# Altium PCB GE21_M1_pku_f100.PcbDoc (part 5 of 19) (continued)
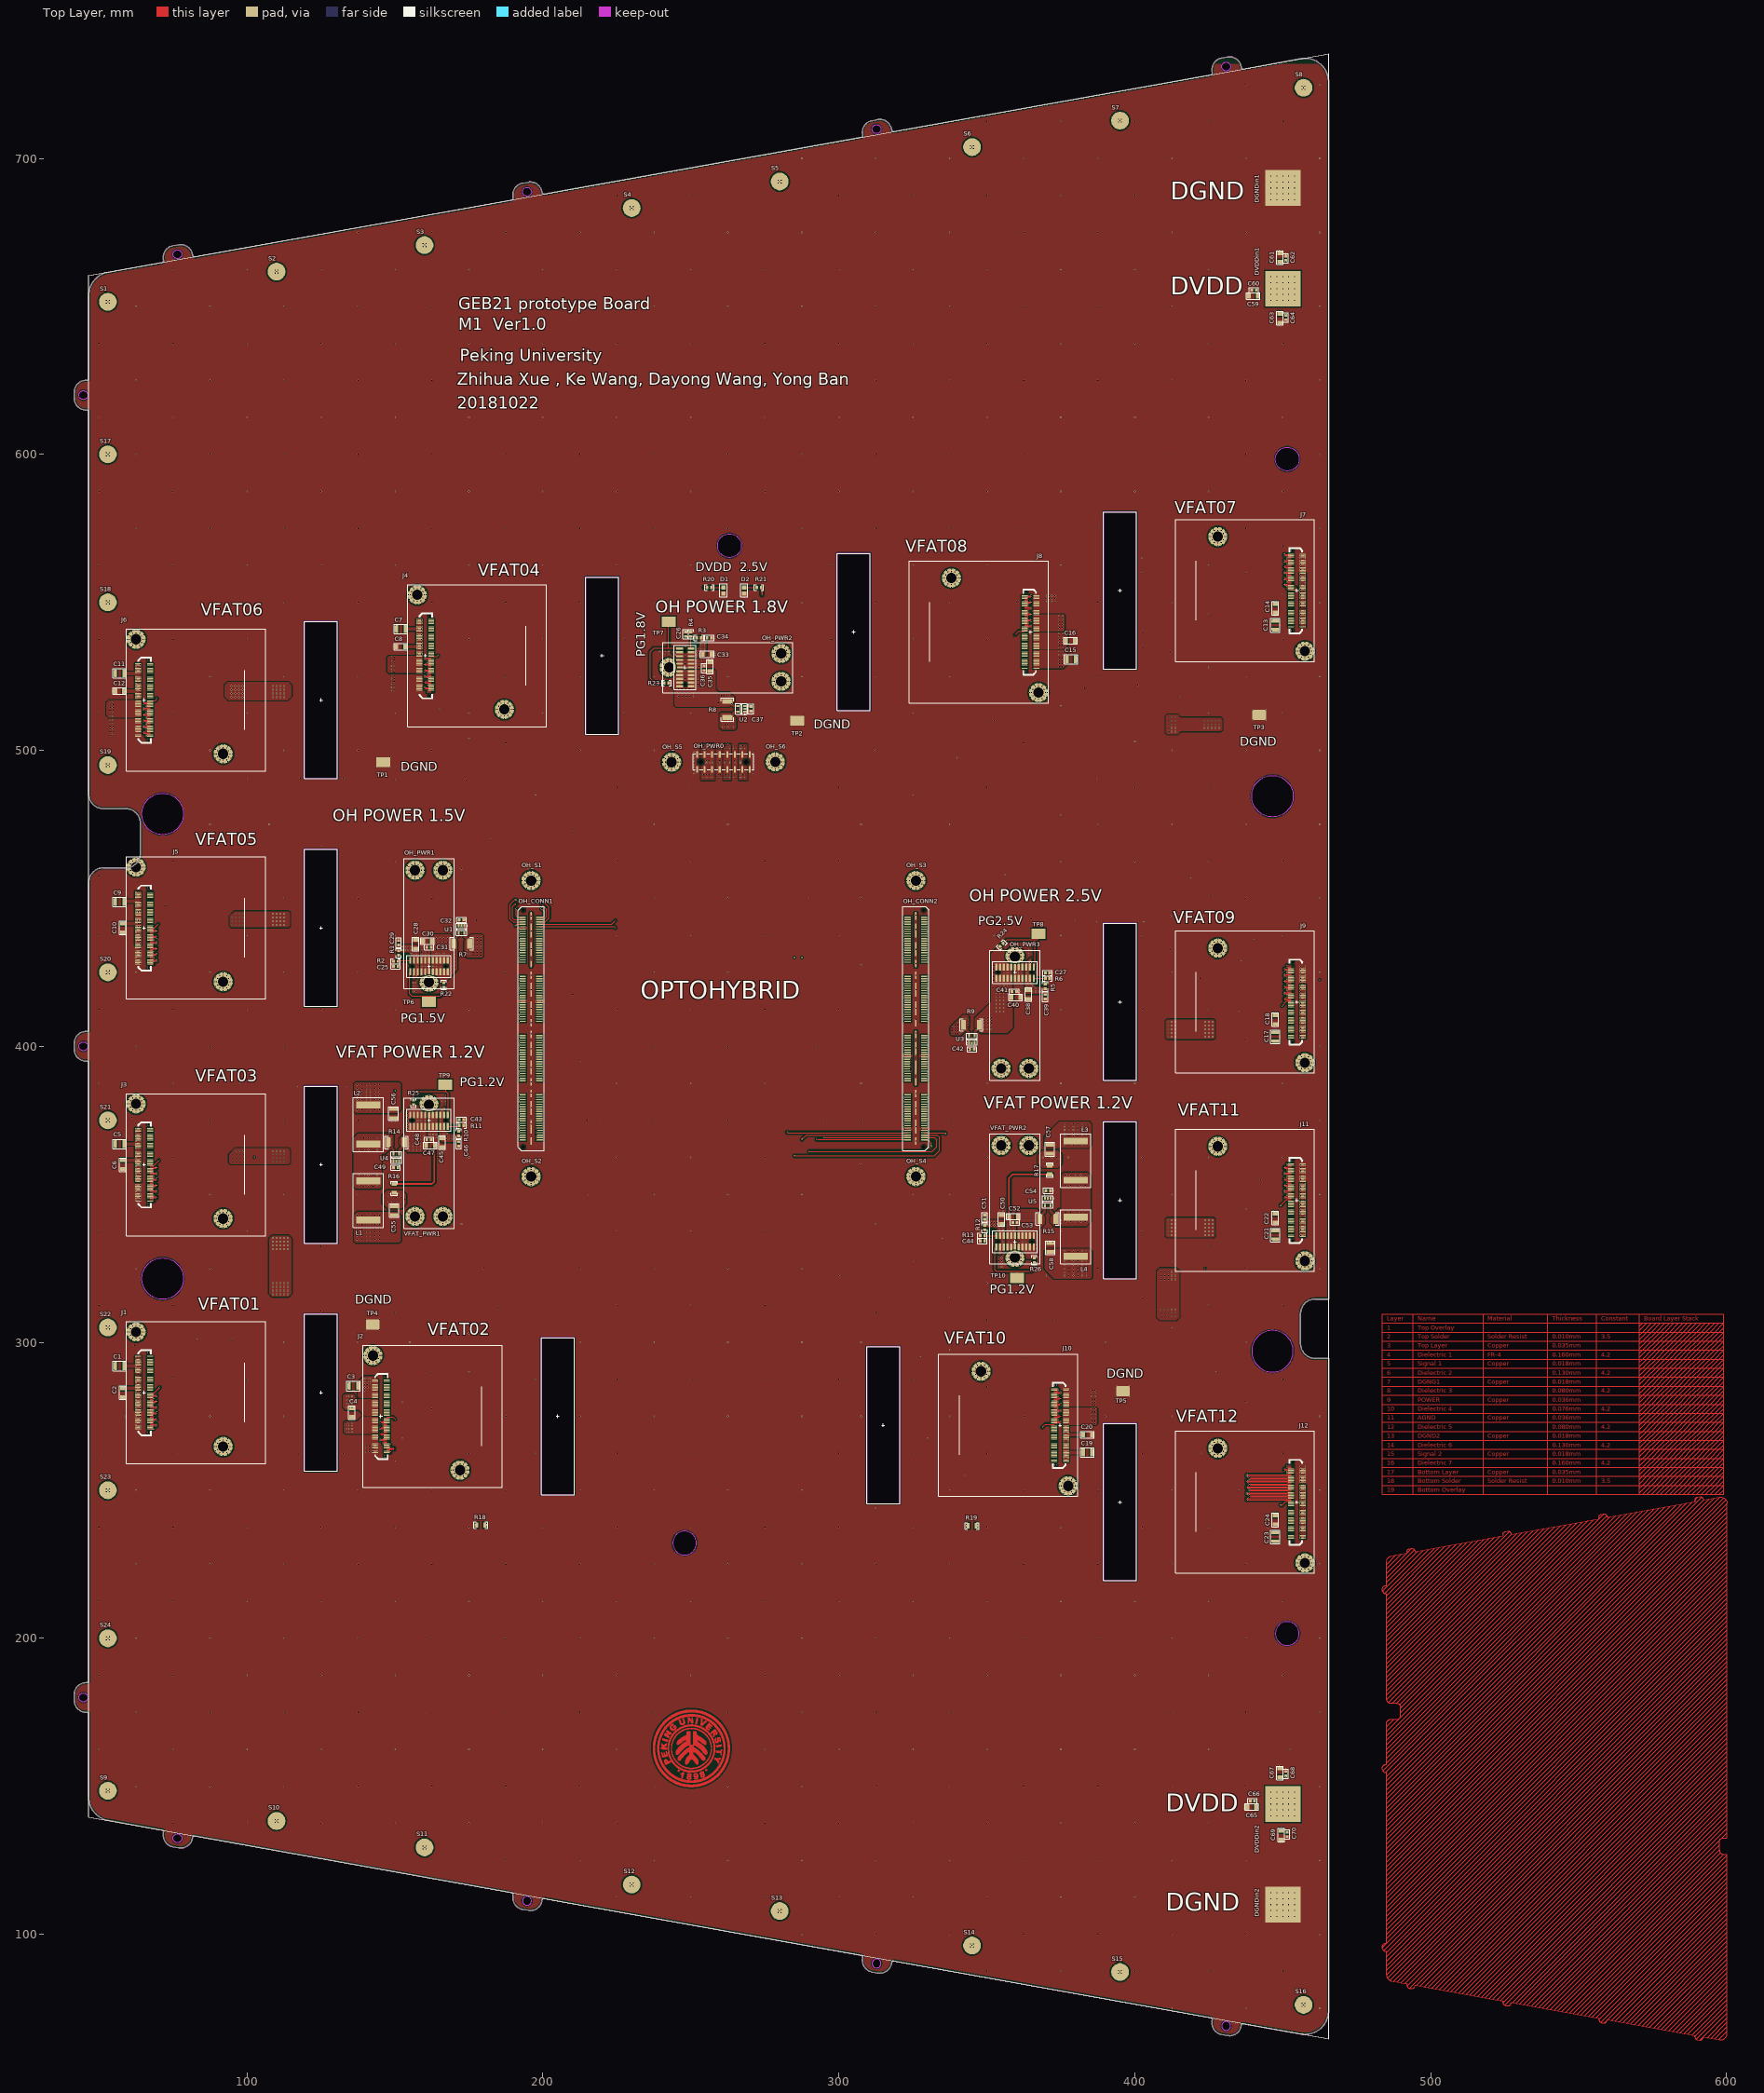
[diagram p0: Top Layer view]
## Nets (pads, with @x,y where several pads share a name; then routed paths per layer and width w, separated by ;. In a path a pad name is that pad's centre, name@x,y a point inside that pad or via, vN(x,y) a via of type N, cw(c..) or ccw(c..) an arc to the next point about the centre after c; other vN are vias at no path point) (continued)
  other v4: 69.43,431.3 69.57,431.3
J5Reset: J5.52 OH_CONN1.2 | length 163.6
  Top Layer w0.2: J5.52@67.25,439.75 68.5,439.75 v1(70,441.25) ; v1(191,446.5) 191,444 191.4,443.6 OH_CONN1.2@193.135,443.6
  Signal 1 w0.2: v1(70,441.25) 71.75,443 77.75,443 79.75,445 79.75,467.5 81.75,469.5 168,469.5 v1(191,446.5)
J5RXD_N: J5.96 OH_CONN1.56 | length 234.6
  Top Layer w0.115: J5.96@67.25,428.75 68.3,428.75 68.375,428.825 69.198,428.825 cw(c69.198,428.398) v5(69.5,428.7)
  Signal 1 w0.115: v5(69.5,428.7) cw(c69.802,428.398) 69.802,428.825 72.623,428.825 cw(c72.623,426.285) 74.419,428.081 93.504,408.996 ccw(c95.547,411.04) 95.547,408.15 117.798,408.15 cw(c117.798,405.61) 119.594,407.406 120.004,406.996 ccw(c122.047,409.04) 122.047,406.15 125.486,406.15 ccw(c125.486,406.708) 126.044,406.708 126.044,407.201 cw(c126.252,407.201) 126.252,407.409 126.444,407.409 cw(c126.444,407.201) 126.652,407.201 126.652,405.449 ccw(c127.21,405.449) 127.21,404.891 127.402,404.891 ccw(c127.402,405.449) 127.96,405.449 127.96,407.201 cw(c128.168,407.201) 128.168,407.409 128.36,407.409 cw(c128.36,407.201) 128.568,407.201 128.568,405.449 ccw(c129.126,405.449) 129.126,404.891 129.318,404.891 ccw(c129.318,405.449) 129.876,405.449 129.876,407.201 cw(c130.084,407.201) 130.084,407.409 130.276,407.409 cw(c130.276,407.201) 130.484,407.201 130.484,405.449 ccw(c131.042,405.449) 131.042,404.891 131.234,404.891 ccw(c131.234,405.449) 131.792,405.449 131.792,407.201 cw(c132,407.201) 132,407.409 132.192,407.409 cw(c132.192,407.201) 132.4,407.201 132.4,405.449 ccw(c132.958,405.449) 132.958,404.891 133.15,404.891 ccw(c133.15,405.449) 133.708,405.449 133.708,407.201 cw(c133.916,407.201) 133.916,407.409 134.108,407.409 cw(c134.108,407.201) 134.316,407.201 134.316,405.449 ccw(c134.874,405.449) 134.874,404.891 135.066,404.891 ccw(c135.066,405.449) 135.624,405.449 135.624,407.201 cw(c135.832,407.201) 135.832,407.409 136.024,407.409 cw(c136.024,407.201) 136.232,407.201 136.232,405.449 ccw(c136.79,405.449) 136.79,404.891 136.982,404.891 ccw(c136.982,405.449) 137.54,405.449 137.54,407.201 cw(c137.748,407.201) 137.748,407.409 137.94,407.409 cw(c137.94,407.201) 138.148,407.201 138.148,405.449 ccw(c138.706,405.449) 138.706,404.891 138.898,404.891 ccw(c138.898,405.449) 139.456,405.449 139.456,407.201 cw(c139.664,407.201) 139.664,407.409 139.856,407.409 cw(c139.856,407.201) 140.064,407.201 140.064,405.449 ccw(c140.622,405.449) 140.622,404.891 140.814,404.891 ccw(c140.814,405.449) 141.372,405.449 141.372,407.201 cw(c141.58,407.201) 141.58,407.409 141.772,407.409 cw(c141.772,407.201) 141.98,407.201 141.98,405.449 ccw(c142.538,405.449) 142.538,404.891 142.73,404.891 ccw(c142.73,405.449) 143.288,405.449 143.288,407.201 cw(c143.496,407.201) 143.496,407.409 143.688,407.409 cw(c143.688,407.201) 143.896,407.201 143.896,405.449 ccw(c144.454,405.449) 144.454,404.891 144.646,404.891 ccw(c144.646,405.449) 145.204,405.449 145.204,407.201 cw(c145.412,407.201) 145.412,407.409 145.604,407.409 cw(c145.604,407.201) 145.812,407.201 145.812,405.449 ccw(c146.37,405.449) 146.37,404.891 146.562,404.891 ccw(c146.562,405.449) 147.12,405.449 147.12,407.201 cw(c147.328,407.201) 147.328,407.409 147.52,407.409 cw(c147.52,407.201) 147.728,407.201 147.728,405.449 ccw(c148.286,405.449) 148.286,404.891 148.478,404.891 ccw(c148.478,405.449) 149.036,405.449 149.036,407.201 cw(c149.244,407.201) 149.244,407.409 149.436,407.409 cw(c149.436,407.201) 149.644,407.201 149.644,405.449 ccw(c150.202,405.449) 150.202,404.891 150.394,404.891 ccw(c150.394,405.449) 150.952,405.449 150.952,407.201 cw(c151.16,407.201) 151.16,407.409 151.352,407.409 cw(c151.352,407.201) 151.56,407.201 151.56,405.449 ccw(c152.118,405.449) 152.118,404.891 152.31,404.891 ccw(c152.31,405.449) 152.868,405.449 152.868,407.201 cw(c153.076,407.201) 153.076,407.409 153.268,407.409 cw(c153.268,407.201) 153.476,407.201 153.476,405.449 ccw(c154.034,405.449) 154.034,404.891 154.226,404.891 ccw(c154.226,405.449) 154.784,405.449 154.784,407.201 cw(c154.992,407.201) 154.992,407.409 155.184,407.409 cw(c155.184,407.201) 155.392,407.201 155.392,405.449 ccw(c155.95,405.449) 155.95,404.891 156.142,404.891 ccw(c156.142,405.449) 156.7,405.449 156.7,407.201 cw(c156.908,407.201) 156.908,407.409 157.1,407.409 cw(c157.1,407.201) 157.308,407.201 157.308,405.449 ccw(c157.866,405.449) 157.866,404.891 158.058,404.891 ccw(c158.058,405.449) 158.616,405.449 158.616,407.201 cw(c158.824,407.201) 158.824,407.409 159.016,407.409 cw(c159.016,407.201) 159.224,407.201 159.224,405.449 ccw(c159.782,405.449) 159.782,404.891 159.974,404.891 ccw(c159.974,405.449) 160.532,405.449 160.532,407.201 cw(c160.74,407.201) 160.74,407.409 160.932,407.409 cw(c160.932,407.201) 161.14,407.201 161.14,405.449 ccw(c161.698,405.449) 161.698,404.891 161.89,404.891 ccw(c161.89,405.449) 162.448,405.449 162.448,407.201 cw(c162.656,407.201) 162.656,407.409 162.848,407.409 cw(c162.848,407.201) 163.056,407.201 163.056,405.449 ccw(c163.614,405.449) 163.614,404.891 163.806,404.891 ccw(c163.806,405.449) 164.364,405.449 164.364,407.201 cw(c164.572,407.201) 164.572,407.409 164.764,407.409 cw(c164.764,407.201) 164.972,407.201 164.972,405.449 ccw(c165.53,405.449) 165.53,404.891 165.722,404.891 ccw(c165.722,405.449) 166.28,405.449 166.28,407.201 cw(c166.488,407.201) 166.488,407.409 166.68,407.409 cw(c166.68,407.201) 166.888,407.201 166.888,405.449 ccw(c167.446,405.449) 167.446,404.891 167.638,404.891 ccw(c167.638,405.449) 168.196,405.449 168.196,405.942 cw(c168.404,405.942) 168.404,406.15 173.948,406.15 ccw(c173.948,409.04) 175.991,406.996 186.476,417.481 cw(c188.272,415.685) 188.272,418.225 191.457,418.225 cw(c191.457,417.457) v6(192,418)
  other v4: 69.43,428.7 69.57,428.7
J5RXD_P: J5.94 OH_CONN1.54 | length 234.6
  Top Layer w0.115: J5.94@67.25,429.25 68.3,429.25 68.375,429.175 69.198,429.175 ccw(c69.198,429.602) v5(69.5,429.3)
  Signal 1 w0.115: v5(69.5,429.3) ccw(c69.802,429.602) 69.802,429.175 72.623,429.175 cw(c72.623,426.285) 74.666,428.329 93.751,409.244 ccw(c95.547,411.04) 95.547,408.5 117.798,408.5 cw(c117.798,405.61) 119.841,407.654 120.251,407.244 ccw(c122.047,409.04) 122.044,406.5 ccw(c122.047,409.04) 122.047,406.5 125.486,406.5 ccw(c125.486,406.708) 125.694,406.708 125.694,407.201 cw(c126.252,407.201) 126.252,407.759 126.444,407.759 cw(c126.444,407.201) 127.002,407.201 127.002,405.449 ccw(c127.21,405.449) 127.21,405.241 127.402,405.241 ccw(c127.402,405.449) 127.61,405.449 127.61,407.201 cw(c128.168,407.201) 128.168,407.759 128.36,407.759 cw(c128.36,407.201) 128.918,407.201 128.918,405.449 ccw(c129.126,405.449) 129.126,405.241 129.318,405.241 ccw(c129.318,405.449) 129.526,405.449 129.526,407.201 cw(c130.084,407.201) 130.084,407.759 130.276,407.759 cw(c130.276,407.201) 130.834,407.201 130.834,405.449 ccw(c131.042,405.449) 131.042,405.241 131.234,405.241 ccw(c131.234,405.449) 131.442,405.449 131.442,407.201 cw(c132,407.201) 132,407.759 132.192,407.759 cw(c132.192,407.201) 132.75,407.201 132.75,405.449 ccw(c132.958,405.449) 132.958,405.241 133.15,405.241 ccw(c133.15,405.449) 133.358,405.449 133.358,407.201 cw(c133.916,407.201) 133.916,407.759 134.108,407.759 cw(c134.108,407.201) 134.666,407.201 134.666,405.449 ccw(c134.874,405.449) 134.874,405.241 135.066,405.241 ccw(c135.066,405.449) 135.274,405.449 135.274,407.201 cw(c135.832,407.201) 135.832,407.759 136.024,407.759 cw(c136.024,407.201) 136.582,407.201 136.582,405.449 ccw(c136.79,405.449) 136.79,405.241 136.982,405.241 ccw(c136.982,405.449) 137.19,405.449 137.19,407.201 cw(c137.748,407.201) 137.748,407.759 137.94,407.759 cw(c137.94,407.201) 138.498,407.201 138.498,405.449 ccw(c138.706,405.449) 138.706,405.241 138.898,405.241 ccw(c138.898,405.449) 139.106,405.449 139.106,407.201 cw(c139.664,407.201) 139.664,407.759 139.856,407.759 cw(c139.856,407.201) 140.414,407.201 140.414,405.449 ccw(c140.622,405.449) 140.622,405.241 140.814,405.241 ccw(c140.814,405.449) 141.022,405.449 141.022,407.201 cw(c141.58,407.201) 141.58,407.759 141.772,407.759 cw(c141.772,407.201) 142.33,407.201 142.33,405.449 ccw(c142.538,405.449) 142.538,405.241 142.73,405.241 ccw(c142.73,405.449) 142.938,405.449 142.938,407.201 cw(c143.496,407.201) 143.496,407.759 143.688,407.759 cw(c143.688,407.201) 144.246,407.201 144.246,405.449 ccw(c144.454,405.449) 144.454,405.241 144.646,405.241 ccw(c144.646,405.449) 144.854,405.449 144.854,407.201 cw(c145.412,407.201) 145.412,407.759 145.604,407.759 cw(c145.604,407.201) 146.162,407.201 146.162,405.449 ccw(c146.37,405.449) 146.37,405.241 146.562,405.241 ccw(c146.562,405.449) 146.77,405.449 146.77,407.201 cw(c147.328,407.201) 147.328,407.759 147.52,407.759 cw(c147.52,407.201) 148.078,407.201 148.078,405.449 ccw(c148.286,405.449) 148.286,405.241 148.478,405.241 ccw(c148.478,405.449) 148.686,405.449 148.686,407.201 cw(c149.244,407.201) 149.244,407.759 149.436,407.759 cw(c149.436,407.201) 149.994,407.201 149.994,405.449 ccw(c150.202,405.449) 150.202,405.241 150.394,405.241 ccw(c150.394,405.449) 150.602,405.449 150.602,407.201 cw(c151.16,407.201) 151.16,407.759 151.352,407.759 cw(c151.352,407.201) 151.91,407.201 151.91,405.449 ccw(c152.118,405.449) 152.118,405.241 152.31,405.241 ccw(c152.31,405.449) 152.518,405.449 152.518,407.201 cw(c153.076,407.201) 153.076,407.759 153.268,407.759 cw(c153.268,407.201) 153.826,407.201 153.826,405.449 ccw(c154.034,405.449) 154.034,405.241 154.226,405.241 ccw(c154.226,405.449) 154.434,405.449 154.434,407.201 cw(c154.992,407.201) 154.992,407.759 155.184,407.759 cw(c155.184,407.201) 155.742,407.201 155.742,405.449 ccw(c155.95,405.449) 155.95,405.241 156.142,405.241 ccw(c156.142,405.449) 156.35,405.449 156.35,407.201 cw(c156.908,407.201) 156.908,407.759 157.1,407.759 cw(c157.1,407.201) 157.658,407.201 157.658,405.449 ccw(c157.866,405.449) 157.866,405.241 158.058,405.241 ccw(c158.058,405.449) 158.266,405.449 158.266,407.201 cw(c158.824,407.201) 158.824,407.759 159.016,407.759 cw(c159.016,407.201) 159.574,407.201 159.574,405.449 ccw(c159.782,405.449) 159.782,405.241 159.974,405.241 ccw(c159.974,405.449) 160.182,405.449 160.182,407.201 cw(c160.74,407.201) 160.74,407.759 160.932,407.759 cw(c160.932,407.201) 161.49,407.201 161.49,405.449 ccw(c161.698,405.449) 161.698,405.241 161.89,405.241 ccw(c161.89,405.449) 162.098,405.449 162.098,407.201 cw(c162.656,407.201) 162.656,407.759 162.848,407.759 cw(c162.848,407.201) 163.406,407.201 163.406,405.449 ccw(c163.614,405.449) 163.614,405.241 163.806,405.241 ccw(c163.806,405.449) 164.014,405.449 164.014,407.201 cw(c164.572,407.201) 164.572,407.759 164.764,407.759 cw(c164.764,407.201) 165.322,407.201 165.322,405.449 ccw(c165.53,405.449) 165.53,405.241 165.722,405.241 ccw(c165.722,405.449) 165.93,405.449 165.93,407.201 cw(c166.488,407.201) 166.488,407.759 166.68,407.759 cw(c166.68,407.201) 167.238,407.201 167.238,405.449 ccw(c167.446,405.449) 167.446,405.241 167.638,405.241 ccw(c167.638,405.449) 167.846,405.449 167.846,405.942 cw(c168.404,405.942) 168.404,406.5 173.948,406.5 ccw(c173.948,409.04) 175.744,407.244 186.229,417.729 cw(c188.272,415.685) 188.272,418.575 191.457,418.575 ccw(c191.457,419.343) v6(192,418.8)
  other v4: 69.43,429.3 69.57,429.3
J5Strobe_N: J5.56 OH_CONN1.16 | length 167.6
  Top Layer w0.115: J5.56@67.25,438.75 68.3,438.75 68.375,438.825 69.198,438.825 cw(c69.198,438.398) v5(69.5,438.7)
  Signal 2 w0.115: v5(69.5,438.7) cw(c69.802,438.398) 69.802,438.825 73.628,438.825 ccw(c73.628,441.715) 75.671,439.671 111.756,475.756 cw(c113.552,473.96) 113.552,476.5 170.448,476.5 cw(c170.448,473.96) 172.244,475.756 187.406,460.594 cw(c185.61,458.798) 188.15,458.798 188.15,440.575 ccw(c190.5,440.575) 190.5,438.225 191.457,438.225 cw(c191.457,437.457) v6(192,438)
  other v4: 69.43,438.7 69.57,438.7
J5Strobe_P: J5.54 OH_CONN1.14 | length 167.6
  Top Layer w0.115: J5.54@67.25,439.25 68.3,439.25 68.375,439.175 69.198,439.175 ccw(c69.198,439.602) v5(69.5,439.3)
  Signal 2 w0.115: v5(69.5,439.3) ccw(c69.802,439.602) 69.802,439.175 73.628,439.175 ccw(c73.628,441.715) 75.424,439.919 111.509,476.004 cw(c113.552,473.96) 113.552,476.85 170.448,476.85 cw(c170.448,473.96) 172.491,476.004 187.654,460.841 cw(c185.61,458.798) 188.5,458.798 188.5,440.575 ccw(c190.5,440.575) 190.5,438.575 191.457,438.575 ccw(c191.457,439.343) v6(192,438.8)
  other v4: 69.43,439.3 69.57,439.3
J5TXD_N: J5.92 OH_CONN1.52 | length 137
  Top Layer w0.115: v4@68.45,429.75 v5(68.5,429.7)
  Top Layer w0.25: J5.92@67.25,429.75 v4@68.45,429.75
  Signal 1 w0.115: v5(68.5,429.7) cw(c68.802,429.398) 68.802,429.825 73.123,429.825 cw(c73.123,427.285) 74.919,429.081 93.504,410.496 ccw(c95.547,412.54) 95.547,409.65 175.953,409.65 ccw(c175.953,412.54) 177.996,410.496 186.581,419.081 cw(c188.377,417.285) 188.377,419.825 191.457,419.825 cw(c191.457,419.057) v6(192,419.6)
  other v4: 68.57,429.7
J5TXD_P: J5.90 OH_CONN1.50 | length 137
  Top Layer w0.115: v4@68.45,430.25 v5(68.5,430.3)
  Top Layer w0.25: J5.90@67.25,430.25 v4@68.45,430.25
  Signal 1 w0.115: v5(68.5,430.3) ccw(c68.802,430.602) 68.802,430.175 73.123,430.175 cw(c73.123,427.285) 75.166,429.329 93.751,410.744 ccw(c95.547,412.54) 95.547,410 175.953,410 ccw(c175.953,412.54) 177.749,410.744 186.334,419.329 cw(c188.377,417.285) 188.377,420.175 191.457,420.175 ccw(c191.457,420.943) v6(192,420.4)
  other v4: 68.57,430.3
J6CLK_N: J6.100 OH_CONN1.59 | length 234.6
  Top Layer w0.25: v5(66,504.7) 66.05,504.75 J6.100@67.25,504.75
  Signal 1 w0.115: v5(66,504.7) ccw(c65.698,504.398) 65.698,504.825 65.5,504.825 ccw(c65.5,504.325) 65,504.325 65,502.5 ccw(c67.5,502.5) 67.5,500 81.798,500 cw(c81.798,497.11) 83.841,499.154 96.751,486.244 ccw(c98.547,488.04) 98.547,485.5 133.6,485.5 cw(c133.6,484.942) 134.158,484.942 134.158,484.439 ccw(c134.366,484.439) 134.366,484.231 134.558,484.231 ccw(c134.558,484.439) 134.766,484.439 134.766,486.211 cw(c135.324,486.211) 135.324,486.769 135.516,486.769 cw(c135.516,486.211) 136.074,486.211 136.074,484.439 ccw(c136.282,484.439) 136.282,484.231 136.474,484.231 ccw(c136.474,484.439) 136.682,484.439 136.682,486.211 cw(c137.24,486.211) 137.24,486.769 137.432,486.769 cw(c137.432,486.211) 137.99,486.211 137.99,484.439 ccw(c138.198,484.439) 138.198,484.231 138.39,484.231 ccw(c138.39,484.439) 138.598,484.439 138.598,486.211 cw(c139.156,486.211) 139.156,486.769 139.348,486.769 cw(c139.348,486.211) 139.906,486.211 139.906,484.439 ccw(c140.114,484.439) 140.114,484.231 140.306,484.231 ccw(c140.306,484.439) 140.514,484.439 140.514,486.211 cw(c141.072,486.211) 141.072,486.769 141.264,486.769 cw(c141.264,486.211) 141.822,486.211 141.822,484.439 ccw(c142.03,484.439) 142.03,484.231 142.222,484.231 ccw(c142.222,484.439) 142.43,484.439 142.43,486.211 cw(c142.988,486.211) 142.988,486.769 143.18,486.769 cw(c143.18,486.211) 143.738,486.211 143.738,484.439 ccw(c143.946,484.439) 143.946,484.231 144.138,484.231 ccw(c144.138,484.439) 144.346,484.439 144.346,484.942 cw(c144.904,484.942) 144.904,485.5 176.798,485.5 cw(c176.798,482.61) 178.841,484.654 ; 178.841,484.654 207.504,455.991 cw(c205.46,453.948) 208.35,453.948 208.35,423.552 cw(c205.46,423.552) 207.504,421.509 203.466,417.471 cw(c201.423,419.515) 201.423,416.625 200.543,416.625 ccw(c200.543,415.857) v6(200,416.4)
  other v4: 65.93,504.7
J6CLK_P: J6.98 OH_CONN1.57 | length 234.6
  Top Layer w0.25: v5(66,505.3) 66.05,505.25 J6.98@67.25,505.25
  Signal 1 w0.115: v5(66,505.3) cw(c65.698,505.602) 65.698,505.175 65.5,505.175 ccw(c65.5,504.325) 64.65,504.325 64.65,502.5 ccw(c67.5,502.5) 67.5,499.65 81.798,499.65 cw(c81.798,497.11) 83.594,498.906 96.504,485.996 ccw(c98.547,488.04) 98.547,485.15 133.6,485.15 cw(c133.6,484.942) 133.808,484.942 133.808,484.439 ccw(c134.366,484.439) 134.366,483.881 134.558,483.881 ccw(c134.558,484.439) 135.116,484.439 135.116,486.211 cw(c135.324,486.211) 135.324,486.419 135.516,486.419 cw(c135.516,486.211) 135.724,486.211 135.724,484.439 ccw(c136.282,484.439) 136.282,483.881 136.474,483.881 ccw(c136.474,484.439) 137.032,484.439 137.032,486.211 cw(c137.24,486.211) 137.24,486.419 137.432,486.419 cw(c137.432,486.211) 137.64,486.211 137.64,484.439 ccw(c138.198,484.439) 138.198,483.881 138.39,483.881 ccw(c138.39,484.439) 138.948,484.439 138.948,486.211 cw(c139.156,486.211) 139.156,486.419 139.348,486.419 cw(c139.348,486.211) 139.556,486.211 139.556,484.439 ccw(c140.114,484.439) 140.114,483.881 140.306,483.881 ccw(c140.306,484.439) 140.864,484.439 140.864,486.211 cw(c141.072,486.211) 141.072,486.419 141.264,486.419 cw(c141.264,486.211) 141.472,486.211 141.472,484.439 ccw(c142.03,484.439) 142.03,483.881 142.222,483.881 ccw(c142.222,484.439) 142.78,484.439 142.78,486.211 cw(c142.988,486.211) 142.988,486.419 143.18,486.419 cw(c143.18,486.211) 143.388,486.211 143.388,484.439 ccw(c143.946,484.439) 143.946,483.881 144.138,483.881 ccw(c144.138,484.439) 144.696,484.439 144.696,484.942 cw(c144.904,484.942) 144.904,485.15 176.798,485.15 cw(c176.798,482.61) 178.594,484.406 207.256,455.744 cw(c205.46,453.948) 208,453.948 208,423.552 cw(c205.46,423.552) 207.256,421.756 203.219,417.719 cw(c201.423,419.515) 201.423,416.975 200.543,416.975 cw(c200.543,417.743) v6(200,417.2)
  other v4: 65.93,505.3
J6D1_N: J6.60 OH_CONN1.19 | length 210.4
  Top Layer w0.25: v5(66,514.7) 66.05,514.75 J6.60@67.25,514.75
  Signal 2 w0.115: v5(66,514.7) ccw(c65.698,514.398) 65.698,514.825 59.54,514.825 ccw(c59.54,512.285) 57,512.285 57,501.552 ccw(c59.54,501.552) 57.744,499.756 61.756,495.744 ccw(c63.552,497.54) 63.552,495 78.303,495 cw(c78.303,492.11) 80.346,494.154 92.256,482.244 ccw(c94.052,484.04) 94.052,481.5 178.298,481.5 cw(c178.298,478.61) 180.341,480.654 202.504,458.491 cw(c200.46,456.448) 203.35,456.448 203.35,438.975 cw(c201,438.975) 201,436.625 200.543,436.625 ccw(c200.543,435.857) v6(200,436.4)
  other v4: 65.93,514.7
J6D1_P: J6.58 OH_CONN1.17 | length 210.4
  Top Layer w0.25: v5(66,515.3) 66.05,515.25 J6.58@67.25,515.25
  Signal 2 w0.115: v5(66,515.3) cw(c65.698,515.602) 65.698,515.175 59.54,515.175 ccw(c59.54,512.285) 56.65,512.285 56.65,501.552 ccw(c59.54,501.552) 57.496,499.509 61.509,495.496 ccw(c63.552,497.54) 63.552,494.65 78.303,494.65 cw(c78.303,492.11) 80.099,493.906 92.009,481.996 ccw(c94.052,484.04) 94.052,481.15 178.298,481.15 cw(c178.298,478.61) 180.094,480.406 202.256,458.244 cw(c200.46,456.448) 203,456.448 203,441.5 203,439.5 203,438.975 cw(c201,438.975) 201,436.975 200.543,436.975 cw(c200.543,437.743) v6(200,437.2)
  other v4: 65.93,515.3
J6D2_N: J6.64 OH_CONN1.23 | length 211
  Top Layer w0.115: v5(65,513.7) cw(c65.302,513.398) 65.302,513.825 66.125,513.825 66.2,513.75 J6.64@67.25,513.75
  Signal 2 w0.115: v4@65,513.7 ccw(c64.698,513.398) 64.698,513.825 60.54,513.825 ccw(c60.54,511.285) 58,511.285 58,502.052 ccw(c60.54,502.052) 58.744,500.256 62.256,496.744 ccw(c64.052,498.54) 64.052,496 78.803,496 cw(c78.803,493.11) 80.846,495.154 92.756,483.244 ccw(c94.552,485.04) 94.552,482.5 178.798,482.5 cw(c178.798,479.61) 180.841,481.654 201.747,460.747 203.504,458.991 cw(c201.46,456.948) 204.35,456.948 204.35,437.375 cw(c202,437.375) 202,435.025 200.543,435.025 ccw(c200.543,434.257) v6(200,434.8)
  other v4: 64.93,513.7 65.07,513.7
J6D2_P: J6.62 OH_CONN1.21 | length 211
  Top Layer w0.115: v5(65,514.3) ccw(c65.302,514.602) 65.302,514.175 66.125,514.175 66.2,514.25 J6.62@67.25,514.25
  Signal 2 w0.115: v5(65,514.3) cw(c64.698,514.602) 64.698,514.175 60.54,514.175 ccw(c60.54,511.285) 57.65,511.285 57.65,502.052 ccw(c60.54,502.052) 58.496,500.009 62.009,496.496 ccw(c64.052,498.54) 64.052,495.65 78.803,495.65 cw(c78.803,493.11) 80.599,494.906 92.509,482.996 ccw(c94.552,485.04) 94.552,482.15 178.798,482.15 cw(c178.798,479.61) 180.594,481.406 201.5,460.5 203.256,458.744 cw(c201.46,456.948) 204,456.948 204,440 204,437.375 cw(c202,437.375) 202,435.375 200.543,435.375 cw(c200.543,436.143) v6(200,435.6)
  other v4: 64.93,514.3 65.07,514.3
J6D3_N: J6.68 OH_CONN1.27 | length 211.6
  Top Layer w0.25: v5(66,512.7) 66.05,512.75 J6.68@67.25,512.75
  Signal 2 w0.115: v4@66,512.7 ccw(c65.698,512.398) 65.698,512.825 61.54,512.825 ccw(c61.54,510.285) 59,510.285 59,502.552 ccw(c61.54,502.552) 59.744,500.756 62.756,497.744 ccw(c64.552,499.54) 64.552,497 79.303,497 cw(c79.303,494.11) 81.346,496.154 93.256,484.244 ccw(c95.052,486.04) 95.052,483.5 179.298,483.5 cw(c179.298,480.61) 181.341,482.654 204.504,459.491 cw(c202.46,457.448) 205.35,457.448 205.35,435.775 cw(c203,435.775) 203,433.425 200.543,433.425 ccw(c200.543,432.657) v6(200,433.2)
  other v4: 65.93,512.7
J6D3_P: J6.66 OH_CONN1.25 | length 211.6
  Top Layer w0.25: v5(66,513.3) 66.05,513.25 J6.66@67.25,513.25
  Signal 2 w0.115: v5(66,513.3) cw(c65.698,513.602) 65.698,513.175 61.54,513.175 ccw(c61.54,510.285) 58.65,510.285 58.65,502.552 ccw(c61.54,502.552) 59.496,500.509 62.509,497.496 ccw(c64.552,499.54) 64.552,496.65 79.303,496.65 cw(c79.303,494.11) 81.099,495.906 93.009,483.996 ccw(c95.052,486.04) 95.052,483.15 179.298,483.15 cw(c179.298,480.61) 181.094,482.406 204.256,459.244 cw(c202.46,457.448) 205,457.448 205,440.5 205,435.775 cw(c203,435.775) 203,433.775 200.543,433.775 cw(c200.543,434.543) v6(200,434)
  other v4: 65.93,513.3
J6D4_N: J6.72 OH_CONN1.31 | length 212.2
  Top Layer w0.115: v5(65,511.7) cw(c65.302,511.398) 65.302,511.825 66.125,511.825 66.2,511.75 J6.72@67.25,511.75
  Signal 2 w0.115: v4@65,511.7 ccw(c64.698,511.398) 64.698,511.825 62.54,511.825 ccw(c62.54,509.285) 60,509.285 60,503.052 ccw(c62.54,503.052) 60.744,501.256 63.256,498.744 ccw(c65.052,500.54) 65.052,498 79.803,498 cw(c79.803,495.11) 81.846,497.154 93.756,485.244 ccw(c95.552,487.04) 95.552,484.5 179.798,484.5 cw(c179.798,481.61) 181.841,483.654 205.504,459.991 cw(c203.46,457.948) 206.35,457.948 206.35,434.175 cw(c204,434.175) 204,431.825 200.543,431.825 ccw(c200.543,431.057) v6(200,431.6)
  other v4: 64.93,511.7 65.07,511.7
J6D4_P: J6.70 OH_CONN1.29 | length 212.2
  Top Layer w0.115: v5(65,512.3) ccw(c65.302,512.602) 65.302,512.175 66.125,512.175 66.2,512.25 J6.70@67.25,512.25
  Signal 2 w0.115: v5(65,512.3) cw(c64.698,512.602) 64.698,512.175 62.54,512.175 ccw(c62.54,509.285) 59.65,509.285 59.65,503.052 ccw(c62.54,503.052) 60.496,501.009 63.009,498.496 ccw(c65.052,500.54) 65.052,497.65 79.803,497.65 cw(c79.803,495.11) 81.599,496.906 93.509,484.996 ccw(c95.552,487.04) 95.552,484.15 179.798,484.15 cw(c179.798,481.61) 181.594,483.406 205.256,459.744 cw(c203.46,457.948) 206,457.948 206,434.175 cw(c204,434.175) 204,432.175 200.543,432.175 cw(c200.543,432.943) v6(200,432.4)
  other v4: 64.93,512.3 65.07,512.3
J6D5_N: J6.76 OH_CONN1.35 | length 212.8
  Top Layer w0.25: v5(66,510.7) 66.05,510.75 J6.76@67.25,510.75
  Signal 2 w0.115: v5(66,510.7) ccw(c65.698,510.398) 65.698,510.825 63.54,510.825 ccw(c63.54,508.285) 61,508.285 61,503.552 ccw(c63.54,503.552) 61.744,501.756 63.756,499.744 ccw(c65.552,501.54) 65.552,499 80.303,499 cw(c80.303,496.11) 82.346,498.154 94.256,486.244 ccw(c96.052,488.04) 96.052,485.5 180.298,485.5 cw(c180.298,482.61) 182.341,484.654 206.504,460.491 cw(c204.46,458.448) 207.35,458.448 207.35,432.575 cw(c205,432.575) 205,430.225 200.543,430.225 ccw(c200.543,429.457) v6(200,430)
  other v4: 65.93,510.7
J6D5_P: J6.74 OH_CONN1.33 | length 212.8
  Top Layer w0.25: v5(66,511.3) 66.05,511.25 J6.74@67.25,511.25
  Signal 2 w0.115: v5(66,511.3) cw(c65.698,511.602) 65.698,511.175 63.54,511.175 ccw(c63.54,508.285) 60.65,508.285 60.65,503.552 ccw(c63.54,503.552) 61.496,501.509 63.509,499.496 ccw(c65.552,501.54) 65.552,498.65 80.303,498.65 cw(c80.303,496.11) 82.099,497.906 94.009,485.996 ccw(c96.052,488.04) 96.052,485.15 180.298,485.15 cw(c180.298,482.61) 182.094,484.406 206.256,460.244 cw(c204.46,458.448) 207,458.448 207,432.575 cw(c205,432.575) 205,430.575 200.543,430.575 cw(c200.543,431.343) v6(200,430.8)
  other v4: 65.93,511.3
J6D6_N: J6.80 OH_CONN1.39 | length 213.4
  Top Layer w0.115: v5(65,509.7) cw(c65.302,509.398) 65.302,509.825 66.125,509.825 66.2,509.75 J6.80@67.25,509.75
  Signal 2 w0.115: v4@65,509.7 ccw(c64.698,509.398) 64.698,509.825 64.5,509.825 ccw(c64.5,507.325) 62,507.325 62,504.052 ccw(c64.54,504.052) 62.744,502.256 64.256,500.744 ccw(c66.052,502.54) 66.052,500 80.803,500 cw(c80.803,497.11) 82.846,499.154 94.756,487.244 ccw(c96.552,489.04) 96.552,486.5 180.798,486.5 cw(c180.798,483.61) 182.841,485.654 207.504,460.991 cw(c205.46,458.948) 208.35,458.948 208.35,430.975 cw(c206,430.975) 206,428.625 200.543,428.625 ccw(c200.543,427.857) v6(200,428.4)
  other v4: 64.93,509.7 65.07,509.7
J6D6_P: J6.78 OH_CONN1.37 | length 213.4
  Top Layer w0.115: v5(65,510.3) ccw(c65.302,510.602) 65.302,510.175 66.125,510.175 66.2,510.25 J6.78@67.25,510.25
  Signal 2 w0.115: v5(65,510.3) cw(c64.698,510.602) 64.698,510.175 64.5,510.175 ccw(c64.5,507.325) 61.65,507.325 61.65,504.052 ccw(c64.54,504.052) 62.496,502.009 64.009,500.496 ccw(c66.052,502.54) 66.052,499.65 80.803,499.65 cw(c80.803,497.11) 82.599,498.906 94.509,486.996 ccw(c96.552,489.04) 96.552,486.15 180.798,486.15 cw(c180.798,483.61) 182.594,485.406 207.256,460.744 cw(c205.46,458.948) 208,458.948 208,430.975 cw(c206,430.975) 206,428.975 200.543,428.975 cw(c200.543,429.743) v6(200,429.2)
  other v4: 64.93,510.3 65.07,510.3
J6D7_N: J6.84 OH_CONN1.43 | length 218.4
  Top Layer w0.25: v5(66,508.7) 66.05,508.75 J6.84@67.25,508.75
  Signal 2 w0.115: v5(66,508.7) ccw(c65.698,508.398) 65.698,508.825 64.5,508.825 ccw(c64.5,507.325) 63,507.325 63,504.552 ccw(c65.54,504.552) 63.744,502.756 64.756,501.744 ccw(c66.552,503.54) 66.552,501 81.303,501 cw(c81.303,498.11) 83.346,500.154 95.256,488.244 ccw(c97.052,490.04) 97.052,487.5 181.298,487.5 cw(c181.298,484.61) 183.341,486.654 208.504,461.491 cw(c206.46,459.448) 209.35,459.448 209.35,425.375 cw(c207,425.375) 207,423.025 200.543,423.025 ccw(c200.543,422.257) v6(200,422.8)
  other v4: 65.93,508.7
J6D7_P: J6.82 OH_CONN1.41 | length 218.4
  Top Layer w0.25: v5(66,509.3) 66.05,509.25 J6.82@67.25,509.25
  Signal 2 w0.115: v5(66,509.3) cw(c65.698,509.602) 65.698,509.175 64.5,509.175 ccw(c64.5,507.325) 62.65,507.325 62.65,504.552 ccw(c65.54,504.552) 63.496,502.509 64.509,501.496 ccw(c66.552,503.54) 66.552,500.65 81.303,500.65 cw(c81.303,498.11) 83.099,499.906 95.009,487.996 ccw(c97.052,490.04) 97.052,487.15 181.298,487.15 cw(c181.298,484.61) 183.094,486.406 208.256,461.244 cw(c206.46,459.448) 209,459.448 209,425.375 cw(c207,425.375) 207,423.375 200.543,423.375 cw(c200.543,424.143) v6(200,423.6)
  other v4: 65.93,509.3
J6D8_N: J6.88 OH_CONN1.47 | length 219.5
  Top Layer w0.115: v5(65,507.7) cw(c65.302,507.398) 65.302,507.825 66.125,507.825 66.2,507.75 J6.88@67.25,507.75
  Signal 2 w0.115: v4@65,507.7 ccw(c64.698,507.398) 64.698,507.825 64.5,507.825 ccw(c64.5,507.325) 64,507.325 64,505 ccw(c66.414,505) 64.707,503.293 65.256,502.744 ccw(c67.052,504.54) 67.052,502 81.803,502 cw(c81.803,499.11) 83.846,501.154 95.756,489.244 ccw(c97.552,491.04) 97.552,488.5 181.798,488.5 cw(c181.798,485.61) 183.841,487.654 209.504,461.991 cw(c207.46,459.948) 210.35,459.948 210.35,423.775 cw(c208,423.775) 208,421.425 200.543,421.425 ccw(c200.543,420.657) v6(200,421.2)
  other v4: 64.93,507.7 65.07,507.7
J6D8_P: J6.86 OH_CONN1.45 | length 219.5
  Top Layer w0.115: v5(65,508.3) ccw(c65.302,508.602) 65.302,508.175 66.125,508.175 66.2,508.25 J6.86@67.25,508.25
  Signal 2 w0.115: v5(65,508.3) cw(c64.698,508.602) 64.698,508.175 64.5,508.175 ccw(c64.5,507.325) 63.65,507.325 63.65,505 ccw(c66.414,505) 64.46,503.045 65.009,502.496 ccw(c67.052,504.54) 67.052,501.65 81.803,501.65 cw(c81.803,499.11) 83.599,500.906 95.509,488.996 ccw(c97.552,491.04) 97.552,488.15 181.798,488.15 cw(c181.798,485.61) 183.594,487.406 209.256,461.744 cw(c207.46,459.948) 210,459.948 210,423.775 cw(c208,423.775) 208,421.775 200.543,421.775 cw(c200.543,422.543) v6(200,422)
  other v4: 64.93,508.3 65.07,508.3
J6Reset: J6.52 OH_CONN1.1 | length 224
  Top Layer w0.2: J6.52@67.25,516.75 69,516.75 69.5,517.25 v1(69.5,517.5) ; OH_CONN1.1@198.865,443.6 200.1,443.6 200.5,444 200.5,445.5 v1(199.5,446.5)
  Signal 1 w0.2: v1(69.5,517.5) 69.5,525.75 64.75,530.5 61.75,530.5 60.75,529.5 60.75,495.25 63,493 78.5,493 98.25,473.25 171.25,473.25 193.25,451.25 199.75,451.25 200.5,450.5 200.5,447 200,446.5 v1(199.5,446.5)